# Altium PCB RFC_MB.PcbDoc (part 35 of 37)
Units mm, origin at the board's own origin, x right, y up, seen from the top; angles counter-clockwise.
Board outline 440 x 340 mm, 6 copper layers (TopLayer, PlaneGnd, PlanePwr, MidLayer3, MidLayer4, BottomLayer); 1264 components, 1336 nets, 5034 pads, 876 vias.
Unrouted connection lines stored in the file: 2433.
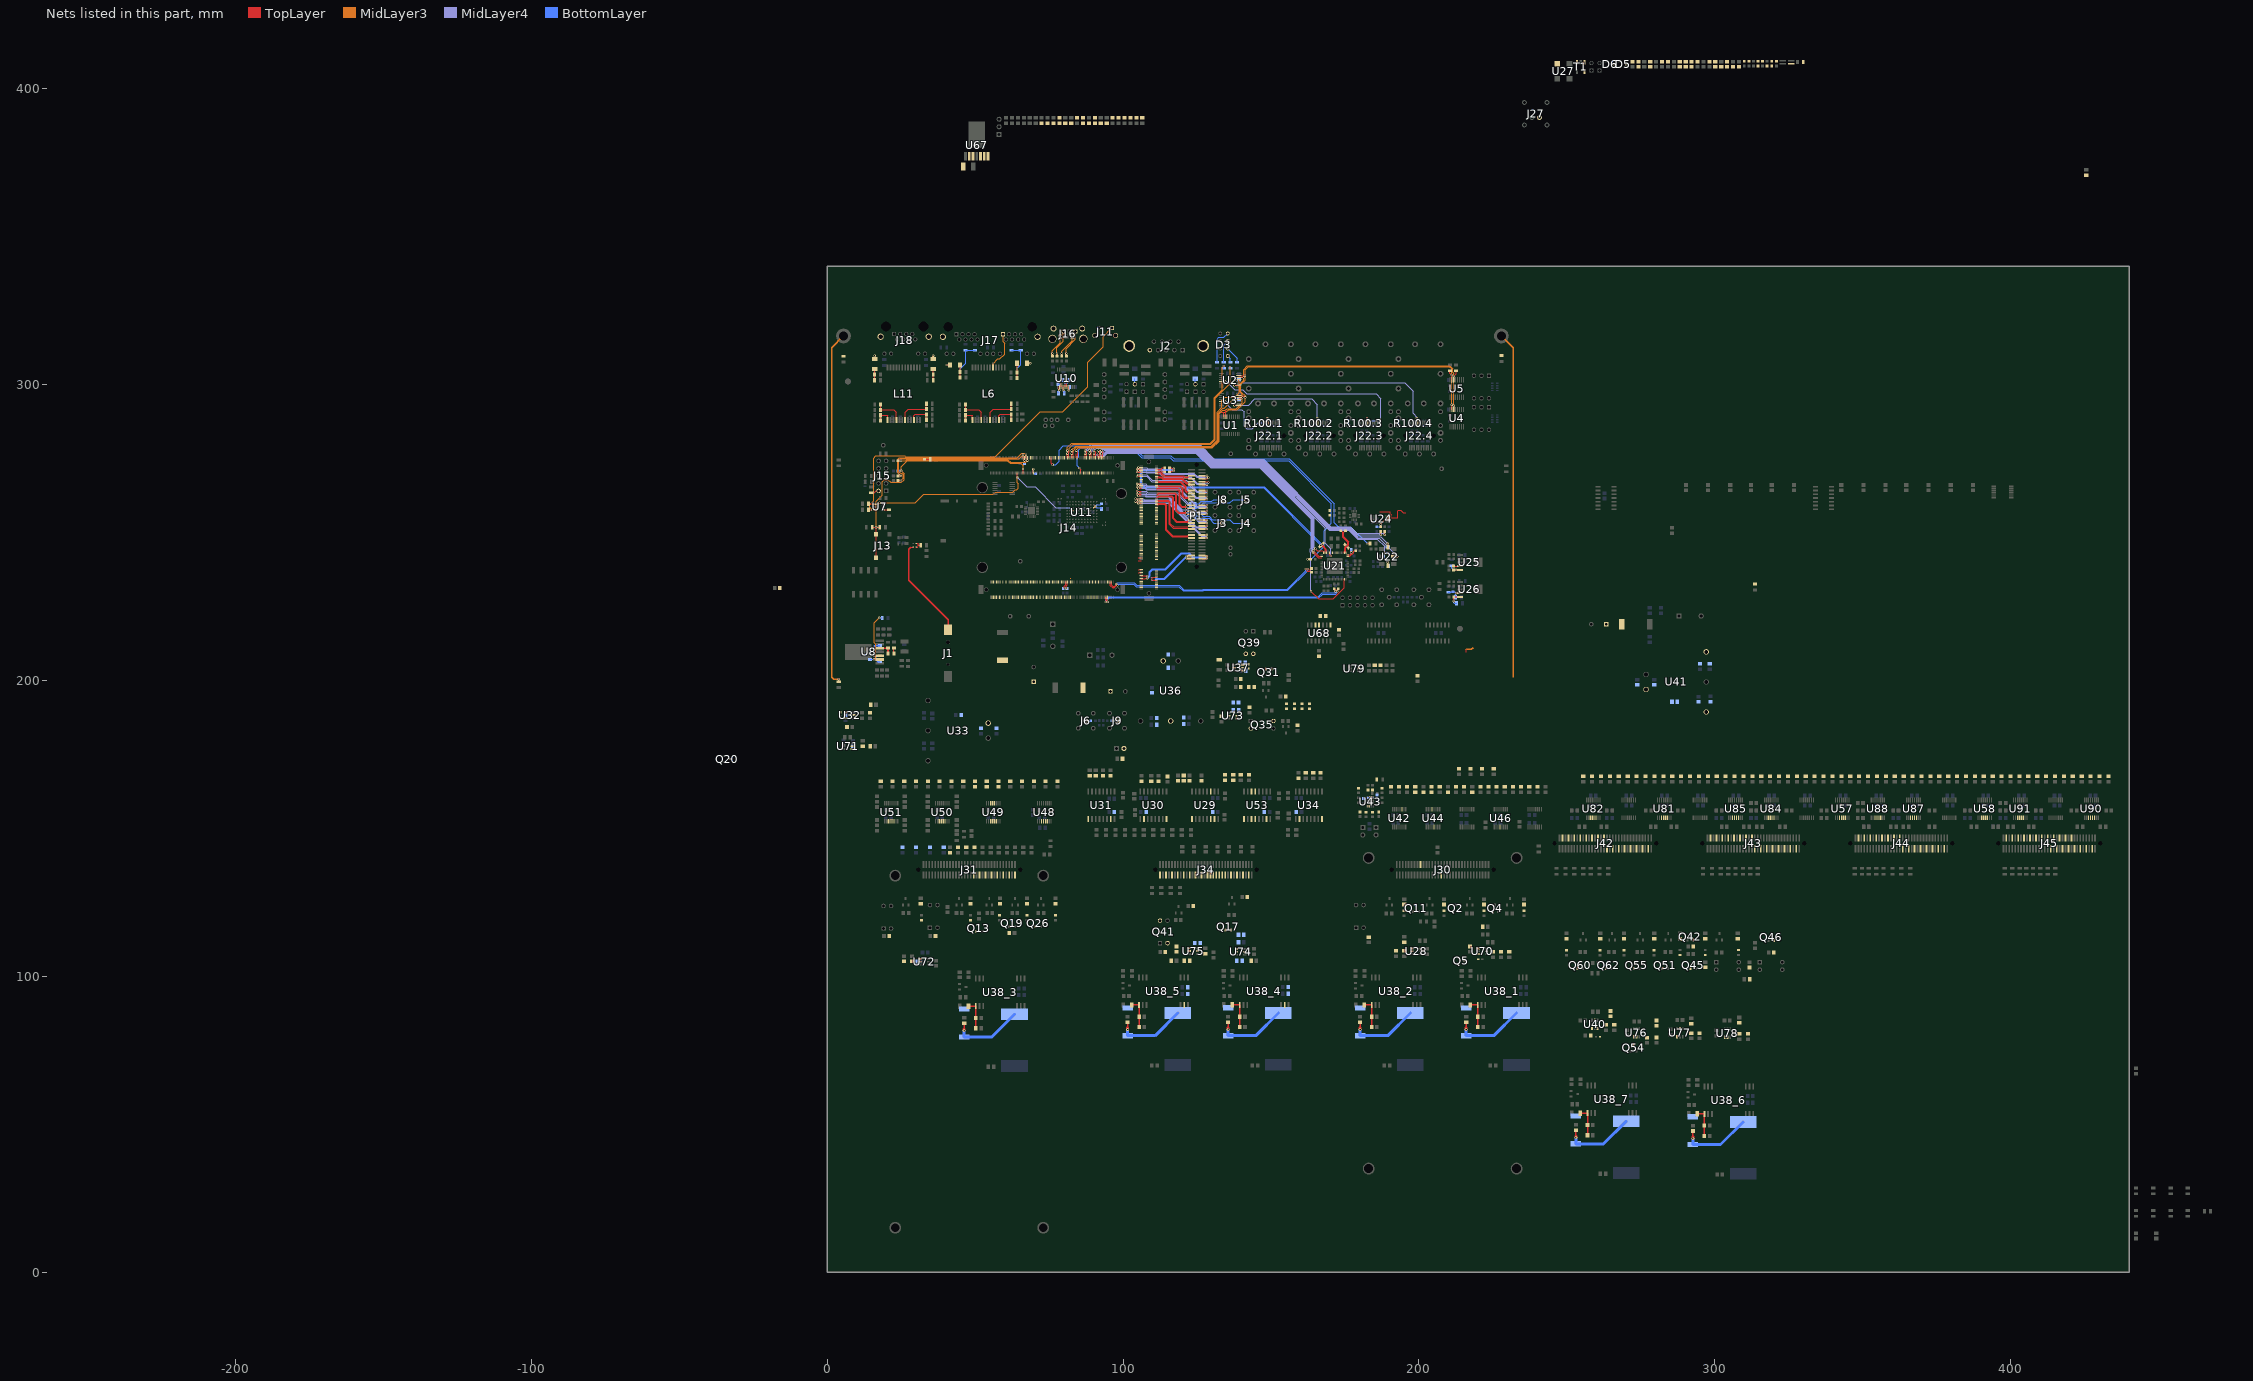
[diagram p39: the nets of this part, all layers, seen from the top]

## Via types
v1: diameter 0.8, hole 0.4, TopLayer to BottomLayer, 488 vias
v2: diameter 1, hole 0.5, TopLayer to BottomLayer, 251 vias
v3: diameter 0.5, hole 0.2, TopLayer to BottomLayer, tented both sides, 137 vias

## Nets (pads, with @x,y where several pads share a name; then routed paths per layer and width w, separated by ;. In a path a pad name is that pad's centre, name@x,y a point inside that pad or via, vN(x,y) a via of type N, cw(c..) or ccw(c..) an arc to the next point about the centre after c; other vN are vias at no path point) (continued)
GTP_REF1.IO_N: C95.2 J14.B12 | length 82.6
  TopLayer w0.15: v1(94.09,226.475) 94.263,226.647 94.263,227.337 94.175,227.425 J14.B12@94.175,228.05
  TopLayer w0.25: C95.2@171.35,230.925 171.813,230.462 171.813,230.248 v1(171.69,230.125)
  BottomLayer w0.25: v1(94.09,226.475) 94.213,226.597 94.213,227.276 95.211,228.275 166,228.275 167.325,229.6 171.613,229.6 171.813,229.8 171.813,230.003 v1(171.69,230.125)
GTP_REF1.IO_P: C94.2 J14.B10 | length 82.6
  TopLayer w0.15: J14.B10@94.675,228.05 94.675,227.425 94.588,227.337 94.588,226.647 v1(94.76,226.475)
  TopLayer w0.25: v1(172.36,230.125) 172.238,230.248 172.238,230.462 C94.2@172.7,230.925
  BottomLayer w0.25: v1(94.76,226.475) 94.638,226.597 94.638,227.1 95.388,227.85 166.176,227.85 167.501,229.175 171.789,229.175 172.238,229.624 172.238,230.003 v1(172.36,230.125)
GTP_REF2.IO_N: C99.2 J14.B5 | length 74.7
  TopLayer w0.25: J14.B5@95.675,233.25 95.675,232.575 95.712,232.538 95.712,231.936 96.424,231.225 97.076,231.225 97.926,232.075 v1(98.1,232.075) ; v1(162.395,237.625) 162.645,237.375 163.2,237.375 C99.2@163.625,237.8
  BottomLayer w0.25: v1(98.1,232.075) 98.549,232.525 103.625,232.525 104.45,231.7 118.8,231.7 120.299,230.201 127.027,230.201 127.251,230.424 155.699,230.424 162.395,237.12 v1(162.395,237.625)
GTP_REF2.IO_P: C97.2 J14.B3 | length 74.2
  TopLayer w0.25: J14.B3@96.175,233.25 96.175,232.575 96.137,232.538 96.137,232.113 96.6,231.65 96.9,231.65 97.626,232.376 v1(97.626,232.549) ; v1(161.725,237.625) 161.725,237.524 162.299,236.95 163.2,236.95 C97.2@163.625,236.525
  BottomLayer w0.25: v1(97.626,232.549) 98.027,232.95 103.801,232.95 104.626,232.125 118.976,232.125 120.476,230.626 126.851,230.626 127.074,230.849 155.523,230.849 161.725,237.051 v1(161.725,237.625)
H_BUSY: J31.6 U48.5
H_CNV: J31.2 U48.6
H_MX0: J31.30 U49.3
H_MX1: J31.26 U49.4
H_MX2: J31.22 U49.5
H_RSV0_: R308.2 U50.6
H_RSV1_: R310.2 U50.5
H_RSV2_: R311.2 U50.4
H_RSV3_: R313.2 U50.3
H_RSV4_: R314.2 U51.6
H_RSV5_: R319.2 U51.5
H_RSV6_: R320.2 U51.4
H_RSV7_: R321.2 U51.3
H_SCLK: J31.10 U48.4
H_SDO: J31.14 U48.3
H_SW: J31.18 U49.6
HPS_PORn: J14.A132 R23.2 U7.1 U11.M5 | length 81.7
  TopLayer w0.15: R23.2@13.925,259.675 15.025,259.675 15.165,259.535 U7.1@16.335,259.535 17.16,259.535 v1(17.675,260.05) ; v1(64.175,268.675) J14.A132@64.175,270.05 ; v1(82.55,257.875) U11.M5@83.05,257.375
  MidLayer3 w0.15: v1(17.675,260.05) 29.724,260.05 32.574,262.9 56.2,262.9 56.9,263.6 62.675,263.6 63.5,264.425 64.075,264.425 64.5,264.85 64.5,266.525 64.175,266.85 v1(64.175,268.675)
  MidLayer4 w0.15: v1(64.175,268.675) 67.5,265.35 70.35,265.35 77.325,258.375 82.05,258.375 v1(82.55,257.875)
HPS_RSTn: C14.1 J13.1 J13.2 J14.A124 R28.2 R40.1 | length 88.7
  TopLayer w0.15: J14.A124@66.175,270.05 v1(66.175,271.425)
  TopLayer w0.25: R28.2@15.225,251.725 15.24,251.71 v1(16.535,251.71) ; J13.1@16.535,241.435 J13.2@16.535,249.385 v1(16.535,251.71) ; C14.1@17.735,251.735 16.56,251.735 v1(16.535,251.71)
  MidLayer3 w0.15: v1@16.56,251.735 v1(16.535,251.71) 16.535,260.46 18.65,262.575 18.65,267.2 19.25,267.8 20.525,267.8 21.445,266.88 25.055,266.88 26.05,267.875 26.05,269.745 v1(25.01,270.785) 25.01,272.163 27.117,274.27 60.897,274.27 61.862,273.305 65.47,273.305 66.175,272.6 v1(66.175,271.425)
  BottomLayer w0.3: R40.1@23.96,270.785 v1(25.01,270.785)
I2C_SCL: J14.A111
I2C_SDA: J14.A113
IN0_N: C81.2 U21.64 | length 2.6
  TopLayer w0.15: U21.64@175.975,242.425 176.7,242.425 177.1,242.825 v1(177.1,243.25)
  BottomLayer w0.15: v1(177.1,243.25) C81.2@177.1,244.175
IN0_P: C80.2 U21.63 | length 3.7
  TopLayer w0.15: U21.63@175.975,241.925 176.675,241.925 177.875,243.125 177.875,243.625 178.075,243.825 C80.2@178.625,243.825
in1: J42.4 U81.3
IN1_N: C83.2 R110.1 U21.2 | length 9.4
  TopLayer w0.15: C83.2@173.725,250.55 174.225,250.05 174.225,248.375 175.875,246.725 175.875,245.885 175.433,245.442 ; U21.2@174.775,243.125 174.775,243.625 174.862,243.713 174.862,244.872 175.433,245.442 ; R110.1@174.984,245.891 175.433,245.442
IN1_P: C82.2 R110.2 U21.1 | length 9.6
  TopLayer w0.15: C82.2@175.2,250.55 175.075,250.55 174.55,250.025 174.55,248.51 176.2,246.86 176.2,245.75 175.65,245.2 ; U21.1@175.275,243.125 175.275,243.625 175.188,243.713 175.188,244.737 175.65,245.2 ; R110.2@176.116,244.759 175.675,245.2 175.65,245.2
in2: J42.8 U81.4
IN2_N: C6.2 R111.1 U21.15 | length 90.4
  TopLayer w0.15: v1(166.828,245.528) 167.072,245.528 168.362,244.238 168.362,243.713 168.275,243.625 U21.15@168.275,243.125
  TopLayer w0.25: C6.2@115.7,271.8 116.3,271.8 116.628,271.472 v1(117.125,271.472)
  BottomLayer w0.15: v1(166.828,245.528) v1@166.828,245.722
  BottomLayer w0.25: v1(117.125,271.472) 117.003,271.35 106.649,271.35 105.9,270.601 105.9,266.199 107.074,265.025 147.525,265.025 v1@166.828,245.722
IN2_P: C5.2 R111.2 U21.14 | length 89.6
  TopLayer w0.15: v1(167.302,246.002) 167.302,245.758 168.688,244.372 168.688,243.713 168.775,243.625 U21.14@168.775,243.125
  TopLayer w0.25: C5.2@115.7,270.475 116.3,270.475 116.628,270.803 v1(117.125,270.803)
  BottomLayer w0.15: v1@167.149,246.002 v1(167.302,246.002)
  BottomLayer w0.25: v1(117.125,270.803) 117.003,270.925 106.825,270.925 106.325,270.425 106.325,266.375 107.25,265.45 147.701,265.45 v1@167.149,246.002
in3: J42.12 U81.5
in4: J42.16 U81.6
in5: J43.4 U84.3
in6: J43.8 U84.4
in7: J43.12 U84.5
in8: J43.16 U84.6
in9: J44.4 U87.3
in10: J44.8 U87.4
in11: J44.12 U87.5
in12: J44.16 U87.6
in13: J45.4 U90.3
in14: J45.8 U90.4
in15: J45.12 U90.5
in16: J45.16 U90.6
in17: J42.20 J43.20 J44.20 J45.20 U57.6
in18: J42.24 J43.24 J44.24 J45.24 U57.5
in19: J42.28 J43.28 J44.28 J45.28 U57.4
in20: J42.32 J43.32 J44.32 J45.32 U57.3
inOut1: J42.33 U82.6
inOut2: J42.37 U82.5
inOut3: J42.41 U82.4
inOut4: J42.45 U82.3
inOut5: J43.33 U85.6
inOut6: J43.37 U85.5
inOut7: J43.41 U85.4
inOut8: J43.45 U85.3
inOut9: J44.33 U88.6
inOut10: J44.37 U88.5
inOut11: J44.41 U88.4
inOut12: J44.45 U88.3
inOut13: J45.33 U91.6
inOut14: J45.37 U91.5
inOut15: J45.41 U91.4
inOut16: J45.45 U91.3
inOut17: J42.49 J43.49 J44.49 J45.17 J45.49 U58.6
inOut18: J42.53 J43.53 J44.53 J45.21 J45.53 U58.5
inOut19: J42.57 J43.57 J44.57 J45.25 J45.57 U58.4
inOut20: J42.61 J43.61 J44.61 J45.29 J45.61 U58.3
intG: C182.1 C188.1 C191.2 C197.1 C199.2 C202.1 C203.1 C204.2 C205.1 C209_4.2 C209_5.2 C215_4.2 C215_5.2 C259.1 C262.1 C264.1 C266.1 C268.1 C327.2 C328.1 C329.1 C445.2 D9.2 D29.2 D32.1 D35.2 D40.1 D41.2 J34.4 J34.8 J34.12 J34.16 J34.20 J34.24 J34.28 J34.32 J34.36 J34.40 J34.44 J34.48 J34.52 J34.56 J34.60 J34.64 J38.2 Q17.2 Q31.2 Q35.2 Q35.4 Q39.3 Q41.2 Q41.4 R204.2 R212.2 R215.2 R227.2 R340.2 U29.9 U29.15 U30.2 U30.8 U31.9 U31.15 U34.2 U34.8 U36.4 U37.2 U38_4.13 U38_5.13 U53.9 U53.15 U73.5 U74.2 U75.5
IO_AL1: J14.A15 U21.12 | length 100.9
  TopLayer w0.15: v1(92.675,277.625) 93.175,277.125 J14.A15@93.175,275.25 ; U21.12@169.775,243.125 169.775,242.425 v1(170.175,242.025)
  MidLayer4 w0.15: v1(92.675,277.625) 93.105,278.055 125.155,278.055 130.13,273.08 146.729,273.08 168.325,251.484 168.325,246.4 170.175,244.55 v1(170.175,242.025)
IO_AL2: J14.A17 U21.18 | length 97.2
  TopLayer w0.15: J14.A17@92.675,275.25 v1(92.675,276.575) v1@92.675,276.625 ; v1(164.25,243.8) 166.125,241.925 U21.18@167.075,241.925
  MidLayer4 w0.15: v1(92.675,276.575) 93.495,276.575 94.335,277.415 124.89,277.415 129.865,272.44 146.464,272.44 164.25,254.654 v1(164.25,243.8)
IO_AL3: J14.A19 U21.16 | length 99.6
  TopLayer w0.15: v1(91.675,277.625) 92.175,277.125 J14.A19@92.175,275.25 ; v1(165,244.45) 165.625,243.825 167.55,243.825 167.775,243.6 U21.16@167.775,243.125
  MidLayer4 w0.15: v1(91.675,277.625) 92.175,277.125 93.225,277.125 93.835,277.735 125.023,277.735 129.998,272.76 146.596,272.76 164.57,254.786 164.57,244.88 v1(165,244.45)
IO_AL4: J14.A21 U21.19 | length 98.8
  TopLayer w0.15: J14.A21@91.675,275.25 v1(91.675,276.575) v1@91.675,276.625 ; v1(164.225,243.075) 165.875,241.425 U21.19@167.075,241.425
  MidLayer4 w0.15: v1(91.675,276.575) 92.17,276.08 93.452,276.08 94.467,277.095 124.758,277.095 129.733,272.12 146.331,272.12 163.9,254.551 163.9,244.325 163.755,244.18 163.755,243.545 v1(164.225,243.075)
IO_AL5: J14.A25 R105.2 U22.7 | length 123.1
  TopLayer w0.15: v1(90.175,277.625) 90.675,277.125 J14.A25@90.675,275.25
  TopLayer w0.25: U22.7@189.45,238.75 v1(189.45,239.925)
  MidLayer4 w0.15: v1(90.175,277.625) 90.15,277.65 90.901,278.401 125.299,278.401 130.3,273.4 146.925,273.4 169.665,250.66 176.215,250.66 179.225,247.65 185.975,247.65 188.375,245.25 188.375,241 v1(189.45,239.925)
  BottomLayer w0.25: v1(189.45,239.925) 189.45,238.75 R105.2@189.525,238.675
IO_AL6: J14.A27 U21.47 | length 126.2
  TopLayer w0.15: J14.A27@90.175,275.25 v1(90.175,276.625) ; v1(163.5,230.075) 166.05,227.525 170.95,227.525 174.775,231.35 U21.47@174.775,234.225
  MidLayer4 w0.15: v1(90.175,276.625) 90.625,276.625 91.525,275.725 93.55,275.725 94.6,276.775 124.625,276.775 129.6,271.8 146.199,271.8 163.58,254.419 163.58,244.68 163.325,244.425 163.325,243.35 163.5,243.175 v1(163.5,230.075)
IO_AL7: J14.A31 R106.2 U22.8 | length 119.9
  TopLayer w0.15: v1(88.675,277.625) 89.175,277.125 J14.A31@89.175,275.25
  TopLayer w0.25: v1@189.425,246.1 v1(189.45,246.125) U22.8@189.45,244.95
  MidLayer4 w0.15: v1(88.675,277.625) 90.091,279.041 125.564,279.041 130.565,274.04 147.19,274.04 169.93,251.3 176.547,251.3 179.272,248.575 187,248.575 v1(189.45,246.125)
  BottomLayer w0.25: R106.2@189.425,245.025 v1@189.425,246.1
IO_AL8: J14.A33 U22.2 | length 123.1
  TopLayer w0.15: J14.A33@88.675,275.25 v1(88.675,276.625)
  TopLayer w0.25: U22.2@191.45,241.85 v1(192.75,241.85)
  MidLayer4 w0.15: v1(88.675,276.625) 89.5,277.45 89.5,277.825 90.396,278.721 125.431,278.721 130.433,273.72 147.058,273.72 169.798,250.98 176.37,250.98 179.25,248.1 186.5,248.1 v1(192.75,241.85)
IO_AL9: J14.A37 R122.1 | length 118.5
  TopLayer w0.15: v1(87.175,277.625) 87.675,277.125 J14.A37@87.675,275.25 ; v1(188.45,249.175) R122.1@188.45,250.325
  MidLayer4 w0.15: v1(87.175,277.625) 89.261,279.711 125.841,279.711 130.843,274.71 147.468,274.71 170.208,251.97 176.783,251.97 179.003,249.75 187.875,249.75 v1(188.45,249.175)
IO_AL10: J14.A39 R121.1 | length 116.2
  TopLayer w0.15: J14.A39@87.175,275.25 v1(87.175,276.625) ; v1(187.075,249.175) R121.1@187.075,250.325
  MidLayer4 w0.15: v1(87.175,276.625) 87.775,277.225 87.775,277.5 89.666,279.391 125.709,279.391 130.71,274.39 147.335,274.39 170.075,251.65 176.65,251.65 179.125,249.175 v1(187.075,249.175)
IO_AL11: J14.A49 R6.1 U1.18 U2.14 U3.14 U4.14 U5.14 | length 177.4
  TopLayer w0.15: v1(84.175,277.625) 84.675,277.125 J14.A49@84.675,275.25 ; U1.18@134.7,289.125 134.7,291.4 ; U3.14@139.095,295.575 v1(140.35,295.575) ; U2.14@139.095,302.35 v1(140.7,302.35) ; U4.14@211.75,291.52 v1(211.75,292.79) ; U5.14@211.75,301.545 v1(211.75,302.815) 212.525,303.59 R6.1@212.525,304.6
  MidLayer3 w0.15: v1(84.175,277.625) 84.175,277.9 84.82,278.545 130.135,278.545 132.425,280.835 132.425,290.125 133.6,291.3 134.675,291.3 ; 134.7,291.4 134.675,291.3 ; v1(211.75,292.79) v1(211.75,302.815) 211.75,303.775 211.42,304.105 211.42,305.358 210.433,306.345 142.02,306.345 140.7,305.025 v1(140.7,302.35) 140.7,301.453 139.525,300.278 139.525,297.375 140.35,296.55 v1(140.35,295.575) 140.35,293.825 138.325,291.8 135.175,291.8 134.675,291.3
IO_AL12: J14.A51 R7.1 U1.19 U2.15 U3.15 U4.15 U5.15 | length 117
  TopLayer w0.15: J14.A51@84.175,275.25 84.175,276.625 ; 133.38,290.53 134.05,290.55 U1.19@134.05,289.125 ; U3.15@139.095,296.225 140.675,296.225 v1(141.275,295.625) ; U2.15@139.095,303 v1(141.2,303) ; R7.1@210.475,304.6 210.475,303.815 v1(211.1,303.19) U5.15@211.1,301.545 ; U4.15@211.1,291.52 v1(211.1,293.165)
  MidLayer3 w0.15: 133.38,290.53 134.7,290.53 135.65,291.48 138.58,291.48 141.275,294.175 v1(141.275,295.625) 141.275,296.175 139.845,297.605 139.845,300.095 141.2,301.45 v1(141.2,303) 141.2,304.885 142.34,306.025 210.3,306.025 211.1,305.225 v1(211.1,303.19) v1(211.1,293.165)
IO_AL13: J14.A55 R4.1 U2.13 | length 82.2
  TopLayer w0.15: v1(82.675,277.625) 83.175,277.125 J14.A55@83.175,275.25 ; v1(137.9,301.7) U2.13@139.095,301.7
  MidLayer3 w0.15: v1(82.675,277.625) 82.675,277.875 83.995,279.195 129.866,279.195 131.775,281.104 131.775,290.65 133.375,292.25 133.375,294.6 134.375,295.6 137.525,295.6 139.175,297.25 139.175,301.15 138.625,301.7 v1(137.9,301.7)
  BottomLayer w0.15: v1(137.9,301.7) R4.1@139.15,301.7
IO_AL14: J14.A57 R5.1 U3.13 | length 72.4
  TopLayer w0.15: J14.A57@82.675,275.25 v1(82.675,276.625) ; v1(137.9,294.925) U3.13@139.095,294.925
  MidLayer3 w0.15: v1(82.675,276.625) 83.225,277.175 83.225,277.675 84.42,278.87 130.001,278.87 132.1,280.969 132.1,290.35 133.675,291.925 134.2,291.925 137.2,294.925 v1(137.9,294.925)
  BottomLayer w0.15: v1(137.9,294.925) R5.1@139.1,294.925
IO_AL15: J14.A61 R24.1 | length 81.2
  TopLayer w0.15: v1(81.175,277.625) 81.675,277.125 J14.A61@81.675,275.25
  MidLayer3 w0.15: v1(81.175,277.625) 81.175,278.7 82.63,280.155 129.468,280.155 130.815,281.502 130.815,295.545 133.525,298.255 133.525,305.75 v1(134,306.225)
  BottomLayer w0.15: R24.1@134,305.5 v1(134,306.225)
IO_AL16: J14.A63 R21.1 | length 81.8
  TopLayer w0.15: J14.A63@81.175,275.25 v1(81.175,276.625)
  MidLayer3 w0.15: v1(81.175,276.625) 81.75,277.2 81.75,278.5 83.085,279.835 129.601,279.835 131.135,281.369 131.135,295.413 136.205,300.483 136.205,306.18
  BottomLayer w0.15: 136.205,306.18 136.25,306.225 R21.1@136.25,305.5
IO_AL17: J14.A67
IO_AL18: J14.A69
IO_AL19: J14.A73
IO_AL20: J14.A75
IO_AL21: J14.A79
IO_AL22: J14.A81
IO_AR1: J14.A16
IO_AR2: J14.A18
IO_AR3: J14.A22
IO_AR4: J14.A24
IO_AR5: J14.A28
IO_AR6: J14.A30
IO_AR7: J14.A34
IO_AR8: J14.A36
IO_AR9: J14.A40
IO_AR10: J14.A42
IO_AR11: J14.A46 R125.2 | length 125.8
  TopLayer w0.15: v1(85.175,271.75) 85.675,271.25 J14.A46@85.675,270.05 ; v1(162.375,240.925) R125.2@163.325,240.925
  BottomLayer w0.25: v1(85.175,271.75) 84.425,272.5 84.425,275.1 84.975,275.65 84.975,277.9 85.675,278.6 102.9,278.6 106.25,275.25 115.875,275.25 116.975,274.15 155.925,274.15 170.4,259.675 170.4,253.1 167.9,250.6 167.9,245.3 163.525,240.925 v1(162.375,240.925)
IO_AR12: J14.A48
IO_AR13: J14.A52
IO_AR14: J14.A54
IO_AR15: J14.A58
IO_AR16: J14.A60
IO_AR17: J14.A64
IO_AR18: J14.A66
IO_AR19: J14.A70
IO_AR20: J14.A72
IO_AR21: J14.A76
IO_AR22: J14.A78
IO_BL1: J14.B7 R331.2
IO_BL2: J14.B9 R332.2
IO_BL3: J14.B57 R333.2
IO_BL4: J14.B59 R334.2 | length 0.2
  MidLayer3 w0.15: 82.175,234.425 82.325,234.425
IO_BL5: J14.B75 R335.2
IO_BL6: J14.B77 R336.2
IO_BL7: J14.B81 R337.2
IO_BL8: J14.B83 R338.2
IO_BL9: J14.B87 R339.2
IO_BL10: J14.B89 R370.2
IO_BL11: J14.B91 R371.2
IO_BL12: J14.B93 R372.2
IO_BL13: J14.B97 R378.2
IO_BL14: J14.B99 R379.2
IO_BL15: J14.B101 R380.2
IO_BL16: J14.B103 R381.2
IO_BL17: J14.B107 R419.1
IO_BL18: J14.B109 R420.1
IO_BL19: J14.B111 R421.1
IO_BL20: J14.B113 R422.1
IO_BL21: J14.B117 R423.1
IO_BL22: J14.B119 R424.1
IO_BL23: J14.B123 R425.1
IO_BL24: J14.B125 R426.1
IO_BL25: J14.B129 R427.1
IO_BL26: J14.B131 R428.1
IO_BL27: J14.B133 R429.1
IO_BL28: J14.B135 R430.1
IO_BL29: J14.B139 R431.1
IO_BL30: J14.B141 R432.1
IO_BL31: J14.B145 R433.1
IO_BL32: J14.B147 R434.1
IO_BL33: J14.B151 R436.1
IO_BL34: J14.B153 R439.1
IO_BL35: J14.B157 R440.1
IO_BL36: J14.B159 R528.1
IO_BL37: J14.B163
IO_BL38: J14.B165
IO_BR1: J14.B72
IO_BR2: J14.B74
IO_BR3: J14.B78
IO_BR4: J14.B80
IO_BR5: J14.B84
IO_BR6: J14.B86
IO_BR7: J14.B90
IO_BR8: J14.B92
IO_BR9: J14.B94
IO_BR10: J14.B96
IO_BR11: J14.B100
IO_BR12: J14.B102
IO_BR13: J14.B104
IO_BR14: J14.B106
IO_BR15: J14.B110
IO_BR16: J14.B112
IO_BR17: J14.B114
IO_BR18: J14.B116
IO_BR19: J14.B120
IO_BR20: J14.B122
IO_BR21: J14.B124
IO_BR22: J14.B126
IO_BR23: J14.B130 R153.2
IO_BR24: J14.B132 R209.2
IO_BR25: J14.B136 R256.2
IO_BR26: J14.B138 R445.2
IO_BR27: J14.B142 R182.2
IO_BR28: J14.B144 R220.2
IO_BR29: J14.B148 R437.2
IO_BR30: J14.B150 R446.2
IO_BR31: J14.B154 R183.2
IO_BR32: J14.B156 R238.2
IO_BR33: J14.B160 R438.2
IO_BR34: J14.B162 R447.2
IO_BR35: J14.B164 R456.2
IO_BR36: J14.B166 R461.2
IO_CL1: J14.C63 R517.2
IO_CL2: J14.C65 R521.2
IO_CL3: J14.C69 R351.2
IO_CL4: J14.C71 R356.2
IO_CL5: J14.C75 R361.2
IO_CL6: J14.C77 R366.2
IO_CL7: J14.C79 R352.2
IO_CL8: J14.C81 R357.2
IO_CL9: J14.C85 R362.2
IO_CL10: J14.C87 R367.2
IO_CL11: J14.C89 R353.2
IO_CL12: J14.C91 R358.2
IO_CL13: J14.C95 R363.2
IO_CL14: J14.C97 R368.2
IO_CL15: J14.C99
IO_CL16: J14.C101
IO_CL17: J14.C105
IO_CL18: J14.C107
IO_CL19: J14.C109
IO_CL20: J14.C111
IO_CL21: J14.C115 R453.2
IO_CL22: J14.C117
IO_CL23: J14.C119
IO_CL24: J14.C121
IO_CL25: J14.C125
IO_CL26: J14.C127
IO_CL27: J14.C129 R9.2 | length 19.2
  TopLayer w0.15: J14.C129@111.325,262.9 111.95,262.9 112.04,262.99 117.41,262.99 117.85,262.55 117.85,257.275 118.65,256.475 121.1,256.475 v1(121.425,256.15) 123.1,256.15
  BottomLayer w0.15: v1(121.425,256.15) 121.925,255.65 R9.2@122.725,255.65
IO_CL28: J14.C131 R11.2 | length 19.1
  TopLayer w0.15: J14.C131@111.325,263.4 111.95,263.4 112.01,263.34 117.555,263.34 118.2,262.695 118.2,257.42 118.795,256.825 121.1,256.825 v1(121.425,257.15) 123.1,257.15
  BottomLayer w0.15: v1(121.425,257.15) 121.575,257 R11.2@122.725,257
IO_CL29: J14.C135 R12.2 | length 18.5
  TopLayer w0.15: J14.C135@111.325,264.4 111.95,264.4 112.04,264.49 118.36,264.49 118.9,263.95 118.9,259.325 119.75,258.475 121.1,258.475 v1(121.425,258.15) 123.1,258.15
  BottomLayer w0.15: v1(121.425,258.15) 121.65,258.375 R12.2@122.725,258.375
IO_CL30: J14.C137 R15.2 | length 18.7
  TopLayer w0.15: J14.C137@111.325,264.9 111.95,264.9 112.01,264.84 118.505,264.84 119.25,264.095 119.25,259.47 119.895,258.825 121.1,258.825 v1(121.425,259.15) 123.1,259.15
  BottomLayer w0.15: v1(121.425,259.15) 122.025,259.75 R15.2@122.725,259.75
IO_CL31: J14.C139
IO_CL32: J14.C141
IO_CL33: J14.C145
IO_CL34: J14.C147
IO_CL35: J14.C151
IO_CL36: J14.C153
IO_CL37: J14.C157
IO_CL38: J14.C159
IO_CL39: C5.1 J14.C161 | length 3
  TopLayer w0.15: J14.C161@111.325,270.9 112.925,270.9 113.35,270.475 C5.1@114.1,270.475
IO_CL40: C6.1 J14.C163 | length 2.9
  TopLayer w0.15: J14.C163@111.325,271.4 112.85,271.4 113.25,271.8 C6.1@114.1,271.8
IO_CL_FX1: J14.C3
IO_CL_FX2: J14.C5
IO_CL_FX3: J14.C7
IO_CL_FX4: J14.C9
IO_CL_FX5: J14.C21
IO_CL_FX6: J14.C25
IO_CL_FX7: J14.C29
IO_CL_FX8: J14.C33
IO_CL_FX9: J14.C37
IO_CL_FX10: J14.C41
IO_CL_FX11: J14.C45
IO_CL_FX12: J14.C47
IO_CL_FX13: J14.C51
IO_CL_FX14: J14.C53
IO_CL_FX15: J14.C57
IO_CL_FX16: J14.C59
IO_CLK4N_AL26: J14.A87
IO_CLK4P_AL25: J14.A85 R107.2 | length 132.2
  TopLayer w0.15: J14.A85@75.675,275.25 75.675,273.375 v1(76.175,272.875) ; v1(182.45,246.25) R107.2@183.425,246.25
  BottomLayer w0.25: v1(76.175,272.875) 77.175,272.875 78.375,274.075 78.375,277.825 79.857,279.307 103.193,279.307 106.543,275.957 116.168,275.957 117.25,274.875 156.2,274.875 171.375,259.7 171.375,253.225 172.975,251.625 177.075,251.625 v1(182.45,246.25)
IO_CR1: J14.C66 R466.2
IO_CR2: J14.C68 R471.2
IO_CR3: J14.C72 R457.2
IO_CR4: J14.C74 R462.1
IO_CR5: J14.C78 R467.2
IO_CR6: J14.C80 R472.2
IO_CR7: J14.C82 R458.2
IO_CR8: J14.C84 R463.2
IO_CR9: J14.C88 R468.2
IO_CR10: J14.C90 R473.2
IO_CR11: J14.C92 R480.2
IO_CR12: J14.C94 R483.2
IO_CR13: J14.C98 R488.2
IO_CR14: J14.C100 R493.2
IO_CR15: J14.C102 R481.2
IO_CR16: J14.C104 R486.2
IO_CR17: J14.C108 R491.2
IO_CR18: J14.C110 R496.2
IO_CR19: J14.C112 R482.2
IO_CR20: J14.C114 R487.2
IO_CR21: J14.C118 P1.17 R492.2 | length 30.7
  TopLayer w0.15: v1(105.175,259.9) J14.C118@106.125,259.9 ; P1.17@126.7,248.15 v1(128.375,248.15)
  MidLayer4 w0.15: v1(105.175,259.9) 105.2,259.925 115.2,259.925 126.635,248.49 128.035,248.49 v1(128.375,248.15)
IO_CR22: J14.C120 P1.19 R497.2 | length 32.7
  TopLayer w0.15: v1(104.2,260.4) J14.C120@106.125,260.4 ; P1.19@126.7,249.15 v1(128.375,249.15)
  MidLayer4 w0.15: v1(104.2,260.4) 104.2,260.395 106.58,260.395 106.7,260.275 115.345,260.275 126.78,248.84 128.065,248.84 v1(128.375,249.15)
IO_CR23: J14.C122 P1.23 R504.2 | length 29.9
  TopLayer w0.15: v1(105.175,260.9) J14.C122@106.125,260.9 ; P1.23@126.7,251.15 v1(128.375,251.15)
  MidLayer4 w0.15: v1(105.175,260.9) 106.575,260.9 106.85,260.625 115.525,260.625 124.66,251.49 128.035,251.49 v1(128.375,251.15)
IO_CR24: J14.C124 P1.25 R505.2 | length 31.9
  TopLayer w0.15: v1(104.2,261.4) J14.C124@106.125,261.4 ; P1.25@126.7,252.15 v1(128.375,252.15)
  MidLayer4 w0.15: v1(104.2,261.4) 106.775,261.4 107.2,260.975 115.67,260.975 124.805,251.84 128.065,251.84 v1(128.375,252.15)
IO_CR25: J14.C128 P1.27 R510.2 | length 29.7
  TopLayer w0.15: v1(105.175,262.4) J14.C128@106.125,262.4 ; P1.27@126.7,253.15 v1(128.375,253.15)
  MidLayer4 w0.15: v1(105.175,262.4) 107.35,262.4 107.625,262.125 115.05,262.125 120.525,256.65 122.475,256.65 125.635,253.49 128.035,253.49 v1(128.375,253.15)
IO_CR26: J14.C130 P1.29 R515.2 | length 30.7
  TopLayer w0.15: v1(104.7,262.9) J14.C130@106.125,262.9 ; P1.29@126.7,254.15 v1(128.375,254.15)